# Altium PCB Sampling_Board.PcbDoc (continued)
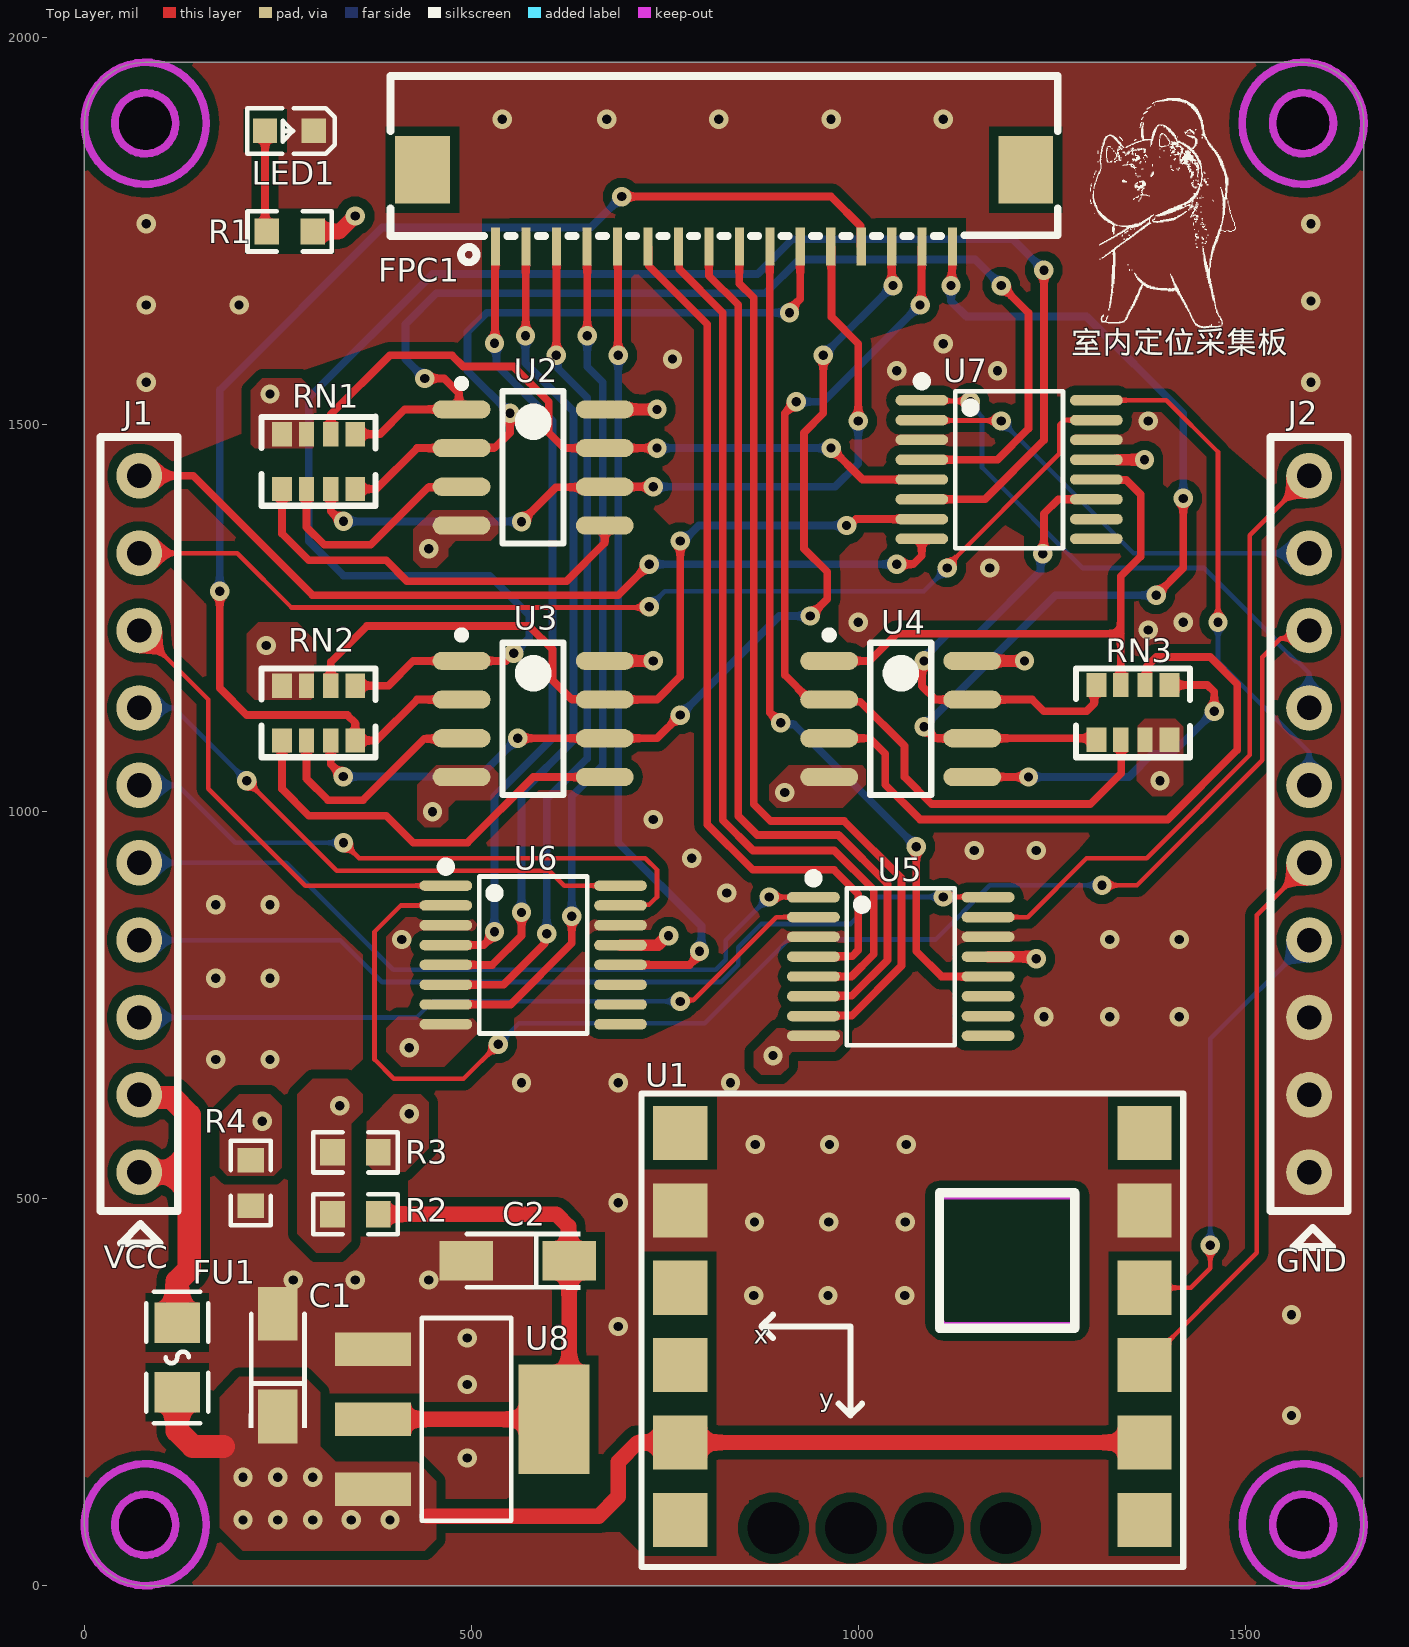
[diagram p0: Top Layer view]
## Components (designator, comment, footprint, x,y, rotation, side; value= is the part's Value field where it differs from the comment)
C1 "TAJA106K016RNJ" CAP-SMD_L3.2-W1.6-RD-C7171 250,285 r90 top value=10uF
C2 "TAJA106K016RNJ" CAP-SMD_L3.2-W1.6-RD-C7171 560,420 r180 top value=10uF
FPC1 "1.0K-DX-16PWB" FPC-SMD_16P-P1.00_HDGC_1.0K-DX-16PWB 826.77,1780 r180 top
FU1 "FUSE 1A" F0805 120,294.98 r90 top
J1 "Header 10X1" HDR-TH_10P-P2.54_MF254V-11-10-0743 70.87,984.25 r270 top
J2 "Header 10X1" HDR-TH_10P-P2.54_MF254V-11-10-0743 1582.68,984.25 r270 top
LED1 "NCD0603G2" LED0603-RD 265,1880 r180 top
R1 "1k" R0603 265.34,1750 r0 top
R2 "5.1k" R0603 350.34,480 r0 top
R3 "5.1k" R0603 350.34,560 r180 top
R4 "0Ω" R0603 215,520.34 r270 top
RN1 "Res*4" RES-ARRAY-SMD_0603-8P-L3.2-W1.6-BL 302.76,1452.58 r0 top value=4.7kΩ
RN2 "Res*4" RES-ARRAY-SMD_0603-8P-L3.2-W1.6-BL 302.76,1127.58 r0 top value=4.7kΩ
RN3 "Res*4" RES-ARRAY-SMD_0603-8P-L3.2-W1.6-BL 1355,1128.37 r180 top value=4.7kΩ
U1 "JY901B" JY901B 1419.96,17.74 r180 top
U2 "LM358AD" D008_L 580,1445 r0 top
U3 "LM358AD" D008_L 580,1120 r0 top
U4 "LM358AD" D008_L 1055,1120 r0 top
U5 "ADG708BRUZ" TSSOP-16_L5.0-W4.4-P0.65-LS6.4-BL 1055,800 r270 top
U6 "ADG708BRUZ" TSSOP-16_L5.0-W4.4-P0.65-LS6.4-BL 580,815 r270 top
U7 "ADG708BRUZ" TSSOP-16_L5.0-W4.4-P0.65-LS6.4-BL 1195,1442.21 r270 top
U8 "LD1117-1.2" SOT-223-3_L6.5-W3.4-P2.30-LS7.0-BR 490,215 r180 top

## Footprints (in the part's own frame and the unit in brackets; to place one, negate y for a bottom-side part, rotate by r counter-clockwise, add the part's x,y. Pads: shape width x height; smd on the part's side, far side on the other; paste and mask are expansions set on the pad)
CAP-SMD_L3.2-W1.6-RD-C7171 [mil]
  rect 69.19x51.02 smd paste+0 mask+2: 1(-66.39,0) 2(66.39,0)
  silkscreen extent -81,-37 66,37, body extent -68,-31 58,31, height 67
D008_L [mm] "SOIC, 8-Leads, Body 4.9x3.9mm, Pitch 1.27mm, IPC High Density"
  oval 1.9x0.6 smd: 1(-2.35,1.905) 2(-2.35,0.635) 3(-2.35,-0.635) 4(-2.35,-1.905) 5(2.35,-1.905) 6(2.35,-0.635) 7(2.35,0.635) 8(2.35,1.905)
  silkscreen extent -2.47,-2.5 1,2.88, body extent -2,-2.5 2,2.5, height 1.75
F0805 [mm]
  rect 1.335x1.5 smd paste-100 mask+0.051: 1(-1.142,0) 2(1.142,0)
  silkscreen extent -2.16,-1.02 2.16,1.02, body extent -1.05,-0.7 1.05,0.7, height 0.8
FPC-SMD_16P-P1.00_HDGC_1.0K-DX-16PWB [mm]
  rect 0.3x1.25 smd paste+0 mask+0.05: 1(7.5,1.263) 2(6.5,1.263) 3(5.5,1.263) 4(4.5,1.263) 5(3.5,1.263) 6(2.5,1.263) 7(1.5,1.263) 8(0.5,1.263) 9(-0.5,1.263) 10(-1.5,1.263) 11(-2.5,1.263) 12(-3.5,1.263) 13(-4.5,1.263) 14(-5.5,1.263) 15(-6.5,1.263) 16(-7.5,1.263)
  rect 1.8x2.2 smd paste+0 mask+0.05: 17(-9.9,-1.263) 18(9.9,-1.263)
  silkscreen extent -10.95,-4.34 10.95,1.78, body extent -10.7,-4.58 10.7,1.37, height 2.03
HDR-TH_10P-P2.54_MF254V-11-10-0743 [mm]
  round 1.5 hole 0.8 paste+0 mask+0.05: 1(-11.43,0) 2(-8.89,0) 3(-6.35,0) 4(-3.81,0) 5(-1.27,0) 6(1.27,0) 7(3.81,0) 8(6.35,0) 9(8.89,0) 10(11.43,0)
  silkscreen extent -12.7,-1.27 12.7,1.27, body extent -12.7,-1.41 12.7,1.14, height 4.57
JY901B [mil] "IMU"
  oval 39.37x47.24 hole 66.93: 0(229.33,-56.89) 0(329.33,-56.89) 0(429.33,-56.89)
  rect 39.37x47.24 hole 66.93: 0(529.33,-56.89)
  rect 70x70 smd: 1(49.96,-67.26) 2(49.96,-167.26) 3(49.96,-267.26) 4(49.96,-367.26) 5(49.96,-467.26) 6(49.96,-567.26) 7(649.96,-567.26) 8(649.96,-467.26) 9(649.96,-367.26) 10(649.96,-267.26) 11(649.96,-167.26) 12(649.96,-67.26)
  silkscreen extent 0,-618 700,-6
LED0603-RD [mm] "LED0603"
  rect 0.8x0.8 smd paste+0 mask+0.051: 1(-0.799,-0.003) 2(0.799,0.003)
  silkscreen extent -1.49,-0.75 1.39,0.76, body extent -0.81,-0.41 0.81,0.41, height 0.56
R0603 [mil] "R0603"
  rect 31.75x34.02 smd paste-3937.01 mask+2: 1(-29.66,0) 2(29.66,0)
  silkscreen extent -55,-26 55,26, body extent -31,-16 31,16, height 17
RES-ARRAY-SMD_0603-8P-L3.2-W1.6-BL [mm] "排阻0603*4"
  rect 0.65x0.8 smd paste+0 mask+0.051: 1(-1.2,-0.9) 4(1.2,-0.9) 5(1.2,0.9) 8(-1.2,0.9)
  rect 0.5x0.8 smd paste+0 mask+0.051: 2(-0.4,-0.9) 3(0.4,-0.9) 6(0.4,0.9) 7(-0.4,0.9)
  silkscreen extent -1.87,-1.45 1.87,1.47, body extent -1.6,-0.8 1.6,0.8, height 0.53
SOT-223-3_L6.5-W3.4-P2.30-LS7.0-BR [mm]
  rect 2.5x1.1 smd paste+0 mask+0.051: 1(2.97,-2.3) 2(2.97,0) 3(2.97,2.3)
  rect 2.34x3.6 smd paste+0 mask+0.051: 4(-2.97,0)
  silkscreen extent -1.57,-3.33 1.37,3.33, body extent -3.88,-3.25 3.12,3.25, height 1.84
TSSOP-16_L5.0-W4.4-P0.65-LS6.4-BL [mil]
  oval 13.5x68.17 smd paste+0 mask+2: 1(-89.57,-112.83) 2(-63.98,-112.83) 3(-38.39,-112.83) 4(-12.79,-112.83) 5(12.8,-112.83) 6(38.39,-112.83) 7(63.98,-112.83) 8(89.57,-112.83) 9(89.57,112.82) 10(63.98,112.82) 11(38.39,112.82) 12(12.8,112.82) 13(-12.79,112.82) 14(-38.39,112.82) 15(-63.98,112.82) 16(-89.57,112.82)
  silkscreen extent -120,-119 101,70, body extent -98,-126 98,126, height 41

## Part data
C1 C2: library part Cap-TAJA, "贴片钽电容", Equivalent Series Resistance(ESR)=3Ω@100kHz, JLCPCB Part Class="Basic Part", LCSC Part Name="10uF ±10% 16V", Manufacturer="Kyocera AVX", Operating Temperature=-55℃~+125℃, Rated Voltage=16V, Tolerance=±10%, Add into BOM=yes, Convert to PCB=yes, Datasheet=https://atta.szlcsc.com/upload/public/pdf/source/20160107/1457707748093.pdf, Device=TAJA106K016RNJ, Manufacturer Part=TAJA106K016RNJ, Name=10uF, Supplier=LCSC, Supplier Footprint=CASE-A-3216, Supplier Part=C7171, Symbol=TAJA106K016RNJ
FPC1: library part FPC16P, "软排线接口16P", JLCPCB Part Class="Extended Part", LCSC Part Name="1mm P数:16 翻盖式 下接 D型", Manufacturer=HDGC(华德共创), Operating Temperature Range=-20℃~+85℃, Add into BOM=yes, Contact Type=下接, Convert to PCB=yes, Datasheet=https://atta.szlcsc.com/upload/public/pdf/source/20211109/20C01A8270A5DB2C0F8B9DB944B0755A.pdf, Device=1.0K-DX-16PWB, FFC, FCB Thickness=0.3mm, Height Above Board=2mm, Locking Feature=翻盖式, Manufacturer Part=1.0K-DX-16PWB, Mounting Type=卧贴, Name=1.0K-DX-16PWB, Number of Contacts=16, Pitch=1mm, Supplier=LCSC, Supplier Footprint=SMD,P=1mm, Supplier Part=C2915447, Symbol=1.0K-DX-16PWB
FU1: library part FU, "贴片保险丝", Current Rating (Max)=40A, Hold Current=750mA, JLCPCB Part Class="Extended Part", LCSC Part Name="6V 750mA 0805自恢复", Manufacturer=RUILON(瑞隆源), Manufacturer Part=SMD0805P075TF, Operating Voltage (Max)=6V, Trip Current=1.5A, Add into BOM=yes, Convert to PCB=yes, Datasheet=https://atta.szlcsc.com/upload/public/pdf/source/20140222/1457706788789.pdf, Device=SMD0805P075TF_C20979, Name=SMD0805P075TF, Supplier=LCSC, Supplier Footprint=0805, Supplier Part=C20979, Symbol=SMD0805P075TF
J1 J2: "10P*1接插件", Designer=U?, Device=MF254V-11-10-1000-H70, Symbol=MF254V-11-10-1000-H70
LED1: "LED", Emitted Color=翠绿, JLCPCB Part Class="Extended Part", Manufacturer=国星光电, Add into BOM=yes, Convert to PCB=yes, Datasheet=https://atta.szlcsc.com/upload/public/pdf/source/20200820/C87326_434E337B13CFAB9A1423E0838CFDDDAC.pdf, Device=NCD0603G2, LCSC Part Name=翠绿, Manufacturer Part=NCD0603G2, Name=NCD0603G2, Supplier=LCSC, Supplier Footprint=0603, Supplier Part=C87326, Symbol=FC-1608UGK-520D
R1 R2 R3 R4: library part Res3, "Resistor", LatestRevisionDate=29-May-2009, LatestRevisionNote="IPC-7351 Footprint Added.", PackageDescription="Chip Resistor", PackageReference=J1-0603, Published=8-Jun-2000, Publisher="Altium Limited"
RN1 RN2 RN3: "贴片排阻*4", JLCPCB Part Class="Extended Part", LCSC Part Name="10kΩ ±5%", Manufacturer=FH(风华), Manufacturer Part=RC-ML08W103JT, Number of Resistors=4, Power(Watts)=62.5mW, Temperature Coefficient=±100ppm/℃, Tolerance=±5%, Add into BOM=yes, Convert to PCB=yes, Datasheet=https://atta.szlcsc.com/upload/public/pdf/source/20171225/C69593_15141884772841203313.pdf, Device=RC-ML08W103JT, Name=4.7kΩ, Number of Pins=8, Supplier=LCSC, Supplier Footprint=0603x4, Supplier Part=C69593, Symbol=RC-ML08W103JT
U1: "Ten axis inertial sensor"
U2 U3 U4: "Dual Operational Amplifier", Code_IPC=SOIC127P600-8, ComponentLink1Description="Manufacturer Link", ComponentLink1URL=http://www.ti.com/, ComponentLink2Description=Datasheet, ComponentLink2URL=http://www-s.ti.com/sc/ds/lm358.pdf, DatasheetVersion=Aug-1988, LatestRevisionDate=13-Apr-2006, LatestRevisionNote="IPC-7351 Footprint Added.", PackageDescription="8-Pin Small Outline Integrated Circuit 1.27 mm Pitch", PackageReference=D008, PackageVersion=Jan-1998, Published=15-Apr-2002, Publisher="Altium Limited"
U5 U6 U7: "低电压8通道多路复用器", JLCPCB Part Class="Extended Part", Manufacturer=ADI(亚德诺)/LINEAR(凌特), Add into BOM=yes, Convert to PCB=yes, Datasheet=https://atta.szlcsc.com/upload/public/pdf/source/20180613/C206785_93B0E46C728EF6F994EE56115A1D5409.pdf, Device=ADG708BRUZ, LCSC Part Name=ADG708BRUZ, Manufacturer Part=ADG708BRUZ, Name=ADG708BRUZ, Supplier=LCSC, Supplier Footprint=TSSOP-16, Supplier Part=C579091, Symbol=ADG708BRUZ_C579091
U8: "低压差线性稳压器1.2V"

## Via types
v1: diameter 25, hole 12, Top Layer to Bottom Layer, tented both sides, 145 vias

## Nets (pads, with @x,y where several pads share a name; then routed paths per layer and width w, separated by ;. In a path a pad name is that pad's centre, name@x,y a point inside that pad or via, vN(x,y) a via of type N, cw(c..) or ccw(c..) an arc to the next point about the centre after c; other vN are vias at no path point)
AGND: R3.1 R4.1 U2.4 U3.4 U4.4 U5.8 U6.8
  other v1: 230,600 420,610 890,685 420,695 450,1000 905,1025 445,1340
AMP1: RN1.2 U2.3 | length 290.2
  Top Layer w10: RN1.2 287.01,1367.99 310,1345 370,1345 444.49,1419.49 486.97,1419.49 U2.3
AMP2: RN1.1 U2.5 | length 543.1
  Top Layer w10: RN1.1 255.52,1359.48 290,1325 390,1325 417,1298 623,1298 672.52,1347.52 U2.5
AMP3: RN2.2 U3.3 | length 294.4
  Top Layer w10: RN2.2 287.01,1042.99 315,1015 360,1015 439.49,1094.49 486.97,1094.49 U3.3
AMP4: RN2.1 U3.5 | length 543.7
  Top Layer w10: RN2.1 255.52,1029.48 290,995 390,995 425,960 495,960 580,1045 U3.5
AMP5: RN3.2 U4.3 | length 878.3
  Top Layer w10: U4.3 1015,1095 1035,1075 1035,1035 1080,990 1400,990 1490,1080 1490,1165 1455,1200 1385,1200 1373.18,1188.18 1373.18,1166.23 RN3.2
AMP6: RN3.1 U4.5 | length 434.1
  Top Layer w10: U4.5 v1(1220,1045) ; RN3.1 1451.2,1163.8 1460,1155 v1(1460,1130)
  Bottom Layer w10: v1(1220,1045) 1350,1045 1380,1075 1405,1075 v1(1460,1130)
AOUT: J1.1 U7.8 | length 1118
  Top Layer w10: J1.1 140.75,1434.25 295,1280 690,1280 v1(730,1320) ; v1(1050,1320) 1071.28,1320 1082.17,1330.89 U7.8
  Bottom Layer w10: v1(730,1320) v1(1050,1320)
C0: J2.4 U7.1 | length 733.9
  Top Layer w6: U7.1 1083.07,1530.89 1144.11,1530.89 v1(1145,1530)
  Bottom Layer w6: v1(1145,1530) 1145,1525.35 1160,1510.35 1160,1445 1290,1315 1446.93,1315 1542.15,1219.78 1542.15,1217.47 1565.89,1193.72 1568.2,1193.72 1582.68,1179.25 J2.4
C1: J2.5 U7.16 | length 664.3
  Top Layer w6: U7.16 1398.22,1531.78 1465,1465 v1(1465,1245)
  Bottom Layer w6: v1(1465,1245) 1465,1194.61 1582.68,1076.94 J2.5
C2: J1.2 U7.15 | length 1389.8
  Top Layer w6: J1.2 197.49,1334.25 267.74,1264 729,1264 v1(730,1265) ; v1(1115,1315) 1115,1317.63 1260,1462.63 1260,1500 1266.19,1506.19 U7.15
  Bottom Layer w6: v1(730,1265) 750,1285 1085,1285 v1(1115,1315)
COM-C1: RN1.5 U2.1 U7.4 | length 1478
  Top Layer w10: RN1.5 382.05,1488.01 414.03,1520 U2.1 484.05,1523.43 484.05,1540.95 465,1560 v1(440,1560) ; U7.4 1180,1455 1220,1495 1220,1645 v1(1185,1680)
  Bottom Layer w10: v1(440,1560) 415,1585 415,1630 455,1670 880,1670 923.75,1713.75 1151.25,1713.75 v1(1185,1680)
COM-C2: RN1.6 U2.7 U7.5 | length 908
  Top Layer w10: RN1.6 318.51,1513.51 395,1590 475,1590 489.5,1575.5 554.5,1575.5 600,1530 600,1490 620,1470 U2.7 v1(740,1470) ; v1(965,1470) 1005.59,1429.41 U7.5@1079.41,1429.41
  Bottom Layer w10: v1(740,1470) v1(965,1470)
COM-C3: RN2.5 U3.1 U7.6 | length 2250.3
  Top Layer w10: RN2.5 393.01,1163.01 425,1195 U3.1 545,1195 v1(555,1205) ; U7.6 1163.82,1403.82 1240,1480 v1(1240,1700)
  Bottom Layer w10: v1(555,1205) 575,1225 575,1254 524,1305 335,1305 290,1350 290,1535 450,1695 870,1695 915,1740 1200,1740 v1(1240,1700)
COM-C4: RN2.6 U3.7 U7.7 | length 1075.3
  Top Layer w10: RN2.6 318.51,1193.51 365,1240 575,1240 605,1210 605,1170 629.51,1145.49 672.03,1145.49 U3.7 740,1145 770,1175 v1(770,1350) ; v1(985,1370) 989.06,1370 997.29,1378.23 U7.7
  Bottom Layer w10: v1(770,1350) 774.06,1350 794.06,1370 v1(985,1370)
COM-C5: RN3.3 U4.1 U7.12 | length 716
  Top Layer w10: U4.1@960.6,1196.88 U4.1 1015,1195 1050,1230 1339.25,1230 ; U7.12 1308.5,1428.74 1346.26,1428.74 1365,1410 1365,1330 1339.25,1304.25 1339.25,1230 ; RN3.3 1339.25,1230
COM-C6: RN3.4 U4.7 U7.11 | length 651.3
  Top Layer w10: v1(1085,1195) 1082.5,1192.5 1082.5,1162.5 1100,1145 U4.7 1225,1145 1240,1130 1295,1130 1305,1140 1305,1161.04 RN3.4 ; v1(1238.38,1333.38) 1240,1335 1240,1385 1258.82,1403.82 U7.11
  Bottom Layer w10: v1(1085,1195) 1085,1199.06 1115.94,1230 1155,1230 1235.51,1310.51 1235.51,1330.51 v1(1238.38,1333.38)
GND: C1.2 C2.2 J2.8 J2.9 J2.10 LED1.1 R4.2 U1.5 U1.8 U5.3 U5.14 U6.3 U6.14 U7.3 U7.14 U8.1
  other v1: 495,165 1560,220 495,260 495,320 690,335 1560,350 865,375 961,375 1060,375 270,395 350,395 445,395 866,470 962,470 1061,470 690,495 867,570 963,570 1062,570 565,650 690,650 835,650 170,680 240,680 1240,735 1325,735 1415,735 170,785 240,785 410,835 1325,835 1415,835 170,880 240,880 830,895 785,940 1150,950 1230,950 735,990 1375,1235 1000,1245 1420,1245 1170,1315 1375,1505 80,1555 1585,1555 1050,1570 1180,1570 760,1585 1110,1605 80,1655 200,1655 1585,1660 80,1760 1585,1760 540,1895 675,1895 820,1895 965,1895 1110,1895
IMU-RXD: J2.6 U1.3 | length 737.3
  Top Layer w6: U1.3 1515,430 1515,866.57 J2.6
IMU-TXD: J2.7 U1.4 | length 572.5
  Top Layer w6: U1.4 1430,385 1455,410 v1(1455,440)
  Bottom Layer w6: v1(1455,440) 1455,706.57 J2.7
INH1: J2.2 U7.2 | length 571.7
  Top Layer w6: U7.2 1082.77,1505.6 1184.4,1505.6 v1(1185,1505)
  Bottom Layer w6: v1(1185,1505) 1355.75,1334.25 J2.2
INH2: J2.3 U6.2 | length 1807.3
  Top Layer w6: U6.2 408.98,878.98 375,845 375,680 400,655 490,655 v1(534.75,699.75) ; v1(1315,905) 1360.25,905 1522,1066.75 1522,1200 1546.1,1224.1 1572.53,1224.1 J2.3
  Bottom Layer w6: v1(534.75,699.75) 561.69,726.69 801.69,726.69 910,835 1100,835 1170,905 v1(1315,905)
INH3: J1.8 U5.2 | length 925
  Top Layer w6: v1(770,755) 771.7,756.7 786.7,756.7 893.98,863.98 U5.2
  Bottom Layer w6: J1.8 429.25,734.25 450,755 v1(770,755)
NetLED1_2: LED1.2 R1.1 | length 130.8
  Top Layer w10: LED1.2 233.53,1752.15 R1.1
PS-X1: FPC1.11 RN1.4 U2.2 | length 900.7
  Top Layer w10: RN1.4 377.14,1417.14 430,1470 U2.2 487.97,1470.49 530.49,1470.49 550,1490 v1(550,1515) ; v1(911.33,1645) 911.33,1649.06 925,1662.73 925,1730.1 FPC1.11
  Bottom Layer w10: v1(550,1515) 495,1570 495,1620 520,1645 v1(911.33,1645)
PS-X2: FPC1.12 RN1.3 U2.6 | length 1041.9
  Top Layer w10: RN1.3 318.51,1388.29 331.3,1375.5 v1(335,1375.5) ; v1(565,1375) 609.51,1419.51 672.03,1419.51 U2.6 v1(735,1420) ; FPC1.12 965.47,1729.39 965.47,1639.53 1000,1605 v1(1000,1505)
  Bottom Layer w10: v1(335,1375.5) 335.25,1375.25 564.75,1375.25 v1(565,1375) ; v1(735,1420) 970,1420 1000,1450 v1(1000,1505)
PS-X3: FPC1.13 RN2.4 U3.2 | length 1735.3
  Top Layer w10: v1(175,1285) 175,1160 210,1125 340,1125 350,1115 RN2.4 377.14,1092.14 430,1145 U3.2 ; v1(694.48,1795) 965,1795 1003.03,1756.97 1003.03,1731.2 FPC1.13
  Bottom Layer w10: v1(175,1285) 175,1545 385,1755 654.48,1755 v1(694.48,1795)
PS-X4: FPC1.14 RN2.3 U3.6 | length 1289.9
  Top Layer w10: RN2.3 318.51,1061.49 v1(334.5,1045.5) ; v1(560,1095) U3.6 740,1095 v1(770,1125) ; v1(938,1253) 960,1275 960,1310 930,1340 930,1490 955,1515 v1(955,1590) ; FPC1.14 1043.31,1681.69 v1(1045,1680)
  Bottom Layer w10: v1(334.5,1045.5) 510.5,1045.5 v1(560,1095) ; v1(770,1125) 898,1253 v1(938,1253) ; v1(955,1590) v1(1045,1680)
PS-X5: FPC1.15 RN3.6 U4.2 | length 1233.8
  Top Layer w10: v1(920,1530) 905,1515 905,1176.89 936.89,1145 U4.2 ; U4.2@962.48,1142.39 1002.61,1142.39 1060,1085 1060,1045 1095,1010 1300,1010 1340,1050 1340,1092.18 RN3.6 ; v1(1080,1655) 1081.77,1656.77 1081.77,1729.39 FPC1.15
  Bottom Layer w10: v1(920,1530) 955,1530 v1(1080,1655)
PS-X6: FPC1.16 RN3.5 U4.6 | length 1280.9
  Top Layer w10: v1(1085,1110) 1100,1095 U4.6 1305.69,1095 RN3.5 ; v1(1120,1680) 1121.14,1681.14 1121.14,1729.39 FPC1.16 ; v1(1385,1280) 1420,1315 v1(1420,1405)
  Bottom Layer w10: v1(1085,1110) 1255,1280 v1(1385,1280) ; v1(1120,1680) 1120,1660 1140,1640 1295,1640 1420,1515 v1(1420,1405)
PS-Y1: FPC1.1 U6.4 | length 1010
  Top Layer w10: U6.4 516.26,827.79 530,841.53 v1(530,845) ; v1(530,1605.5) 530.75,1606.25 530.75,1729.55 FPC1.1
  Bottom Layer w10: v1@530,855 530,1020 605,1095 605,1505 532.5,1577.5 532.5,1603 v1(530,1605.5)
PS-Y2: FPC1.2 U6.5 | length 1047.6
  Top Layer w10: U6.5 527.2,802.2 565,840 v1(565,870) ; v1(570,1615) 570.43,1615.43 570.43,1729.86 FPC1.2
  Bottom Layer w10: v1@565,880 565,1025 632,1092 632,1518 570,1580 v1(570,1615)
PS-Y3: FPC1.3 U6.6 | length 1079.7
  Top Layer w10: U6.6 541.61,776.61 594.63,829.63 594.63,839.63 v1(597.5,842.5) ; v1(610,1590) 610.12,1590.12 610.12,1730.18 FPC1.3
  Bottom Layer w10: v1@597.5,852.5 597.5,1016.5 650,1069 650,1535 611.95,1573.05 611.95,1588.05 v1(610,1590)
PS-Y4: FPC1.4 U6.7 | length 1110.9
  Top Layer w10: U6.7 551.02,751.02 630,830 v1(630,865) ; FPC1.4 649.8,1730.1 649.8,1615.2 v1(650,1615)
  Bottom Layer w10: v1@630,875 630,1020 670,1060 670,1555 650,1575 v1(650,1615)
PS-Y5: FPC1.5 U6.12 | length 1068.8
  Top Layer w10: FPC1.5 689.49,1729.78 689.49,1590.51 v1(690,1590) ; U6.12 782.19,802.2 792.13,812.14 792.13,817.13 v1(795,820)
  Bottom Layer w10: v1(690,1590) 690,960 797.5,852.5 797.5,822.5 v1(795,820)
PS-Y6: FPC1.6 U5.4 | length 1144.3
  Top Layer w10: FPC1.6 729.25,1729.39 729.25,1705.75 805,1630 805,983.63 863.63,925 968.63,925 1000,893.63 1000,821.37 992.09,813.46 942.85,813.46 U5.4
PS-Y7: FPC1.7 U5.5 | length 1170.1
  Top Layer w10: FPC1.7 768.62,1729.39 768.62,1701.38 825,1645 825,989.09 864.09,950 969.09,950 1020,899.09 1020,815.91 991.29,787.2 U5.5
PS-Y8: FPC1.8 U5.6 | length 1194.2
  Top Layer w10: FPC1.8 807.09,1692.91 845,1655 845,994.54 869.54,970 974.54,970 1038,906.54 1038,808.46 991.82,762.28 942.85,762.28 U5.6
PS-Y9: FPC1.9 U5.7 | length 1212.5
  Top Layer w10: FPC1.9 846.46,1682.69 865,1664.14 865,1010 887,988 982,988 1056,914 1056,801 991.69,736.69 942.85,736.69 U5.7
PS-Y10: FPC1.10 U5.12 | length 1104.3
  Top Layer w10: FPC1.10 885.83,1128.36 899.18,1115 v1(900,1115) ; v1(1075,955) 1075,820 1107.8,787.2 U5.12
  Bottom Layer w10: v1(900,1115) 901.95,1113.05 916.95,1113.05 v1(1075,955)
R0: J1.3 U6.1 | length 600.3
  Top Layer w6: J1.3 160,1145.12 160,1030 285.43,904.57 U6.1
R1: J1.4 U6.16 | length 717.1
  Top Layer w6: v1(210,1040) 326,924 601,924 620.43,904.57 U6.16
  Bottom Layer w6: J1.4 115.75,1134.25 v1(210,1040)
R2: J1.5 U6.15 | length 801.1
  Top Layer w6: v1(335,960) 355,940 725,940 740,925 740,890 729.71,879.71 693.55,879.71 U6.15
  Bottom Layer w6: J1.5 120.75,1034.25 195,960 v1(335,960)
R3: J1.6 U5.1 | length 982.3
  Top Layer w6: v1(885,890) 885.22,889.78 941.96,889.78 U5.1
  Bottom Layer w6: J1.6 260.75,934.25 399,796 816,796 829,809 829,834 v1(885,890)
R4: J1.7 U5.16 | length 1176.1
  Top Layer w6: v1(1110,890) U5.16@1165.68,890
  Bottom Layer w6: J1.7 330.75,834.25 385,780 822.63,780 845,802.37 845,825 875,855 990,855 1025,890 v1(1110,890)
R5: J2.1 U5.15 | length 817.5
  Top Layer w6: U5.15 1218.98,863.98 1295,940 1372.63,940 1506,1073.37 1506,1357.57 J2.1
VCC-3.3: C1.1 FU1.1 R1.2 U1.2 U1.11 U2.8 U3.8 U4.8 U5.13 U6.13 U7.13 U8.3 | length 1561.6
  Top Layer w15: U3.8 v1(735,1195) ; U2.8 v1(740,1520) ; U6.13 741.44,827.79 v1@753.65,840 ; U4.8 v1(1215,1195) ; U5.13 1224.5,812.79 1227.29,810 v1(1230,810) ; U7.13@1334.41,1455 v1(1370,1455)
  Top Layer w20: FU1.1 FU1.1@135,235 ; R1.2 330,1750 v1(350,1770) ; U8.3 U8.3@375,122.52 ; 443.2,90 665,90 690,115 690,160 715,185 U1.11 U1.2 ; v1@753.65,840 v1(755,840)
  Top Layer w30: FU1.1 120,200 140,180 180,180
  other v1: 205,85 250,85 295,85 345,85 395,85 205,140 250,140 295,140
VCC-3.3IN: FU1.2 J1.9 J1.10 | length 414.6
  Top Layer w30: J1.10 135.48,534.25 ; J1.9 74.31,630.81 112.82,630.81 135.48,608.16 135.48,534.25 ; FU1.2 120,393.47 135.48,408.95 135.48,534.25
Vref-1.2: C2.1 R2.2 U8.2 U8.4 | length 743.7
  Top Layer w15: U8.4 U8.4@626.39,234.46 ; C2.1@625.77,420.62 C2.1
  Top Layer w20: U8.2 U8.4 ; R2.2 610,480 625.77,464.23 C2.1@625.77,420.62 ; U8.4@626.39,234.46 C2.1
Vref-in: R2.1 R3.2 RN1.7 RN1.8 RN2.7 RN2.8 RN3.7 RN3.8
  other v1: 330,620 1390,1040 235,1215 240,1540
pads on no net: FPC1.17 FPC1.18 U1.0 U1.1 U1.6 U1.7 U1.9 U1.10 U1.12 U5.9 U5.10 U5.11 U6.9 U6.10 U6.11 U7.9 U7.10

## Polygon pours and split planes (outlines as drawn)
GND on Top Layer "GND_L01_P030" (solid, remove dead copper, pour order 30): 78.74,0 cw(c78.74,78.74) 0,78.74 0,1889.76 cw(c78.74,1889.76) 78.74,1968.5 1574.8,1968.5 cw(c1574.8,1889.76) 1653.54,1889.76 1653.54,78.74 cw(c1574.8,78.74) 1574.8,0
VCC-3.3 on Top Layer "VCC-3.3_L01_P014" (solid, pour order 14): 200,270 285,270 305,250 305,180 325,160 430,160 455,135 455,60 440,45 205,45 175,75 175,243.33
AGND on Top Layer "AGND_L01_P022" (solid, pour order 22): 450,1390 520,1390 535,1375 535,1360 525,1350 480,1350 470,1340 470,1330 455,1315 435,1315 425,1325 425,1365
AGND on Top Layer "AGND_L01_P029" (solid, pour order 29): 365,600 365,545 375,535 415,535 445,565 445,625 435,635 400,635
Vref-in on Top Layer "VREF-IN_L01_P017" (solid, pour order 17): 225,1245 275,1245 300,1220 300,1150 295,1145 220,1145 210,1155 210,1230
Vref-in on Top Layer "VREF-IN_L01_P016" (solid, pour order 16): 230,1560 280,1560 300,1540 300,1475 295,1470 220,1470 215,1475 215,1545
AGND on Top Layer "AGND_L01_P024" (solid, pour order 24): 975,720 980,715 980,700 970,690 915,690 910,685 910,670 900,660 875,660 865,670 865,690 895,720
AGND on Top Layer "AGND_L01_P021" (solid, pour order 21): 1005,1060 1010,1055 1010,1035 980,1005 895,1005 885,1015 885,1035 910,1060
AGND on Top Layer "AGND_L01_P023" (solid, pour order 23): 455,1060 525,1060 535,1050 535,1025 525,1015 480,1015 470,1005 470,990 460,980 440,980 430,990 430,1035
AGND on Top Layer "AGND_L01_P020" (solid, pour order 20): 185,530 245,530 255,540 255,620 240,635 200,635 175,610 175,540
AGND on Top Layer "AGND_L01_P019" (solid, pour order 19): 500,735 510,725 510,715 465,670 410,670 390,690 390,720 405,735
Vref-in on Top Layer "VREF-IN_L01_P018" (solid, pour order 18): 1370,1120 1410,1120 1420,1110 1420,1035 1405,1020 1380,1020 1360,1040 1360,1110
Vref-in on Top Layer "VREF-IN_L01_P015" (solid, pour order 15): 295,655 340,655 360,635 360,611.67 345,596.67 345,445 330,430 300,430 275,455 275,635
GND on Bottom Layer "GND_L04_P025" (solid, remove dead copper, pour order 25): 78.74,0 cw(c78.74,78.74) 0,78.74 0,1889.76 cw(c78.74,1889.76) 78.74,1968.5 1574.8,1968.5 cw(c1574.8,1889.76) 1653.54,1889.76 1653.54,78.74 cw(c1574.8,78.74) 1574.8,0
VCC-3.3 on Power (split plane): 381 vertices, not listed, extent 40.09,40.09 1613.46,1928.42
Vref-in on Power (split plane): 363.95,1552.49 363.95,1210 364.15,1208.43 364.76,1206.97 365.72,1205.72 425.72,1145.72 426.97,1144.76 428.43,1144.15 430,1143.95 1392.49,1143.95 1433.95,1102.49 1433.95,1032.51 1412.49,1011.05 510,1011.05 508.43,1010.85 506.97,1010.24 505.72,1009.28 495.72,999.28 450.72,954.28 440.72,944.28 390.72,894.28 389.76,893.03 389.15,891.57 388.95,890 388.95,765 388.95,755 388.95,457.51 367.49,436.05 302.51,436.05 281.05,457.51 281.05,580 281.05,975 281.05,980 281.05,1030 280.85,1031.57 280.42,1032.6 280.24,1033.03 279.82,1033.57 279.28,1034.28 211.05,1102.51 211.05,1130 211.05,1520 211.05,1547.49 237.51,1573.95 342.49,1573.95
GND on GND (split plane): 285 vertices, not listed, extent 20.1,20.1 1633.45,1948.41
AGND on GND (split plane): 523.95,1392.49 523.95,1090 524.15,1088.43 524.76,1086.97 525.72,1085.72 550.72,1060.72 551.97,1059.76 553.43,1059.15 555,1058.95 972.49,1058.95 1003.95,1027.49 1003.95,1015 1003.95,737.51 922.49,656.05 872.51,656.05 861.05,667.51 861.05,717.49 939.28,795.72 940.24,796.97 940.85,798.43 941.05,800 941.05,975 940.85,976.57 940.24,978.03 939.28,979.28 919.28,999.28 918.03,1000.24 916.57,1000.85 915,1001.05 792.51,1001.05 779.28,1014.28 778.03,1015.24 776.57,1015.85 775,1016.05 600,1016.05 598.43,1015.85 596.97,1015.24 595.72,1014.28 495.72,914.28 494.76,913.03 494.15,911.57 493.95,910 493.95,732.51 465.72,704.28 464.76,703.03 464.15,701.57 463.95,700 463.95,577.51 417.49,531.05 182.51,531.05 166.05,547.51 166.05,587.49 202.51,623.95 290,623.95 291.57,624.15 293.03,624.76 294.28,625.72 439.28,770.72 440.24,771.97 440.85,773.43 441.05,775 441.05,970 440.85,971.57 440.24,973.03 439.28,974.28 416.05,997.51 416.05,1377.49 437.51,1398.95 517.49,1398.95

## Keep-outs
Keep-Out Layer:
  circle w10: c78.74,78.74 r39.37
  circle w10: c1574.8,78.74 r39.37
  circle w10: c1574.8,1889.76 r39.37
  circle w10: c78.74,1889.76 r39.37
  circle w10: c78.74,1889.76 r78.74
  circle w10: c1574.8,1889.76 r78.74
  circle w10: c1574.8,78.74 r78.74
  circle w10: c78.74,78.74 r78.74
  lines w12: 1105,340 1105,505 1280,505 1280,335 1110,335 1105,340

## Other copper
Top Layer:
  pour cut-out: 521.5,728.69 524.64,731.83 524.64,733.69 556.33,733.69 555.52,732.87 555.52,713.63 535.75,713.63 526.52,722.86
  pour cut-out: 356.12,529.71 356.87,530.46 366.19,530.46 373.88,522.76 374.81,523.7 418.56,523.7 418.56,500.32 356.12,500.32
  pour cut-out: 548.87,132.13 550,131 550,115 653.14,115 655.71,112.43 667.57,124.29 667.57,129.56 664.99,132.13
  pour cut-out: 327.49,181.35 325.58,179.43 325.58,176.73 331,171.3 434.68,171.3 434.68,180.95 434.29,181.35
  pour cut-out: 639.5,1588.33 642.28,1591.11 658.78,1591.11 660.5,1592.83 663.84,1589.49 665.5,1589.49 665.5,1579.85 679.85,1565.5 694.87,1565.5 694.87,1554.96 704.83,1545 660,1545 639.5,1565.5
  pour cut-out: 1323,138 1323,132 1417,132 1417,138
  pour cut-out: 1323,238 1323,232 1417,232 1417,238
  pour cut-out: 1323,338 1323,332 1391.91,332 1391.91,336 1389.91,338
  pour cut-out: 712.43,150.71 718.38,156.66 718.38,42.62 691.72,69.28 673.58,69.28
  pour cut-out: 817,138 817,132 723,132 723,138
  pour cut-out: 723,238 723,232 817,232 817,238
  pour cut-out: 723,338 723,332 817,332 817,338
  pour cut-out: 741.48,1341.76 744.85,1345.13 745.5,1345.13 745.5,1360.15 756.12,1370.77 724.31,1402.58 712.33,1402.58 707.29,1397.55 707.4,1397.44 707.4,1342.05 712.4,1337.05
  pour cut-out: 651.47,1301.95 651.47,1299.25 653.38,1297.33 682.82,1297.33 682.82,1298.58 707.4,1323.16 707.4,1347.57 691.34,1347.57 689.5,1345.72
  pour cut-out: 639.5,1592.83 639.5,1565.5 660,1545 637.64,1522.64 637.64,1495.81 629.16,1487.33 571.08,1545.41 571.08,1590.5
  pour cut-out: 589.5,869.09 591.59,867 602.37,867 602.37,872.02 615.51,885.16 614.58,886.09 614.58,890.44 612.93,890.44 594.67,908.71 516.75,908.71 516.75,876.24 501.82,861.32 504.26,858.88 509.23,858.88
  pour cut-out: 1213.88,1338.26 1213.88,1356.12 1190,1370 1259,1439 1259,1440 1259.7,1440 1262.88,1436.81 1262.02,1435.95 1262.02,1426.16
  pour cut-out: 1479.13,1470.85 1540.18,1418.64 1506,1357.57 1490.71,1260.03 1485.64,1265.1 1480.29,1265.1
  pour cut-out: 1016.01,1611.63 1074.86,1630.24 1055.5,1656.93 1018.74,1693.69 1015.08,1690.02 982.81,1690.02 982.81,1646.71
  pour cut-out: 156.79,1268.57 111.96,1315.24 117.15,1318.56 148.56,1318.56 155,1325
  pour cut-out: 279.58,890 360,815 405,890
  pour cut-out: 343.09,664.13 359.71,680 380,665 376.85,629.16
  pour cut-out: 783.88,734.23 727.47,707.77 727.47,769.61 742.73,784.87
  pour cut-out: 1284.19,950.81 1305,975 1307.33,972.67 1383.67,972.67 1383.67,958.67 1375,950
  pour cut-out: 114.11,1452.69 202.76,1488.66 240,1445 240,1360
  pour cut-out: 284.68,1571.3 388.37,1606.01 315,1532.65 315,1525
  pour cut-out: 1394.5,1450.13 1394.5,1423.61 1410,1408.11 1410,1320 1370,1280 1355,1280 1355,1285 1350,1290 1365,1305 1365,1430
  pour cut-out: 977.33,1275 975,1272.67 975,1230 985.72,1219.28 936.89,1219.28 936.89,1216.89 930,1210 915,1225 915,1235 920,1240
  pour cut-out: 989.87,1345.5 976.01,1331.64 976.01,1318.5 945,1349.51 945,1455 965,1455 1005,1415 1040,1415 1045,1410 1045,1395 1025,1395 1015,1385
  pour cut-out: 481.63,1606.01 513.42,1637.8 513.42,1593.42 505,1585 500,1590 485,1590
Bottom Layer:
  pour cut-out: 379.15,765.87 379.15,765.85 400,745 404.55,749.55 422.92,749.55 433.46,760.09 431.54,762 431.54,764.71
  pour cut-out: 974.25,1398.41 974.25,1402.19 1015.42,1443.37 1016.01,1443.37 1016.01,1394.12 1009.5,1365.13 988.79,1383.88
  pour cut-out: 707.33,1409.71 711.34,1409.71 712.33,1410.7 718.03,1405 967.67,1405 983.83,1388.83 975,1380 784.06,1380 781.8,1382.26 755,1355.45 755,1340 715.35,1340 712.33,1336.98 707.33,1341.98
  pour cut-out: 720,1535 705,1550 705,1430 710,1425 730,1445 730,1495 735,1500 720,1515
  pour cut-out: 670,1630 670,1615 680,1605 710,1605 735,1630
GND (plane layer: these items are gaps in the copper):
  rectangle: 1100,330 1285,510
  lines w12: 160,545 180,525 420,525 470,575 470,700 500,730 500,910 600,1010 775,1010 790,995 915,995 935,975 935,800 855,720 855,665 870,650 925,650 1010,735 1010,1015 1010,1030 975,1065 555,1065 530,1090 530,1395 520,1405 435,1405 410,1380 410,995 435,970 435,775 290,630 200,630 160,590 160,545
Power (plane layer: these items are gaps in the copper):
  rectangle: 1090,320 1295,520
  lines w12: 395,755 395,890 445,940 455,950 500,995 510,1005 1415,1005 1440,1030 1440,1105 1395,1150 595,1150 430,1150 370,1210 370,1555 345,1580 235,1580 205,1550 205,1520 205,1130 205,1100 275,1030 275,980 275,975 275,580 275,455 300,430 370,430 395,455 395,765

## Silkscreen, mask and mechanical layers (free items; w line width, h text height)
Top Overlay:
  drawing of 228 lines, arcs and shapes, not listed
  text "室内定位采集板" at 1275.03,1582.74 h50
  text "VCC" at 25.03,400.69 h50
  text "GND" at 1540,395.69 h50
  text "x" at 865,305 h40
  text "y" at 950,222.8 h40
Mechanical 1:
  circle w10: c78.74,78.74 r39.37
  circle w10: c1574.8,78.74 r39.37
  circle w10: c1574.8,1889.76 r39.37
  circle w10: c78.74,1889.76 r39.37
  lines w10: 0,78.74 ccw(c78.74,78.74) 78.74,0 1574.8,0 ccw(c1574.8,78.74) 1653.54,78.74 1653.54,1889.76 ccw(c1574.8,1889.76) 1574.8,1968.5 78.74,1968.5 ccw(c78.74,1889.76) 0,1889.76 0,78.74